# Altium PCB Fastino-DIOT.PCBDOC (part 11 of 22)
Units mm, origin at the board's own origin, x right, y up, seen from the top; angles counter-clockwise.
Board outline 222.63 x 100.1 mm, 8 copper layers (L1, L2, L3, P4, L5, L6, P7, L8), stack 1.563 mm thick; 1030 components, 787 nets, 3312 pads, 2498 vias.
Unrouted connection lines stored in the file: 424.
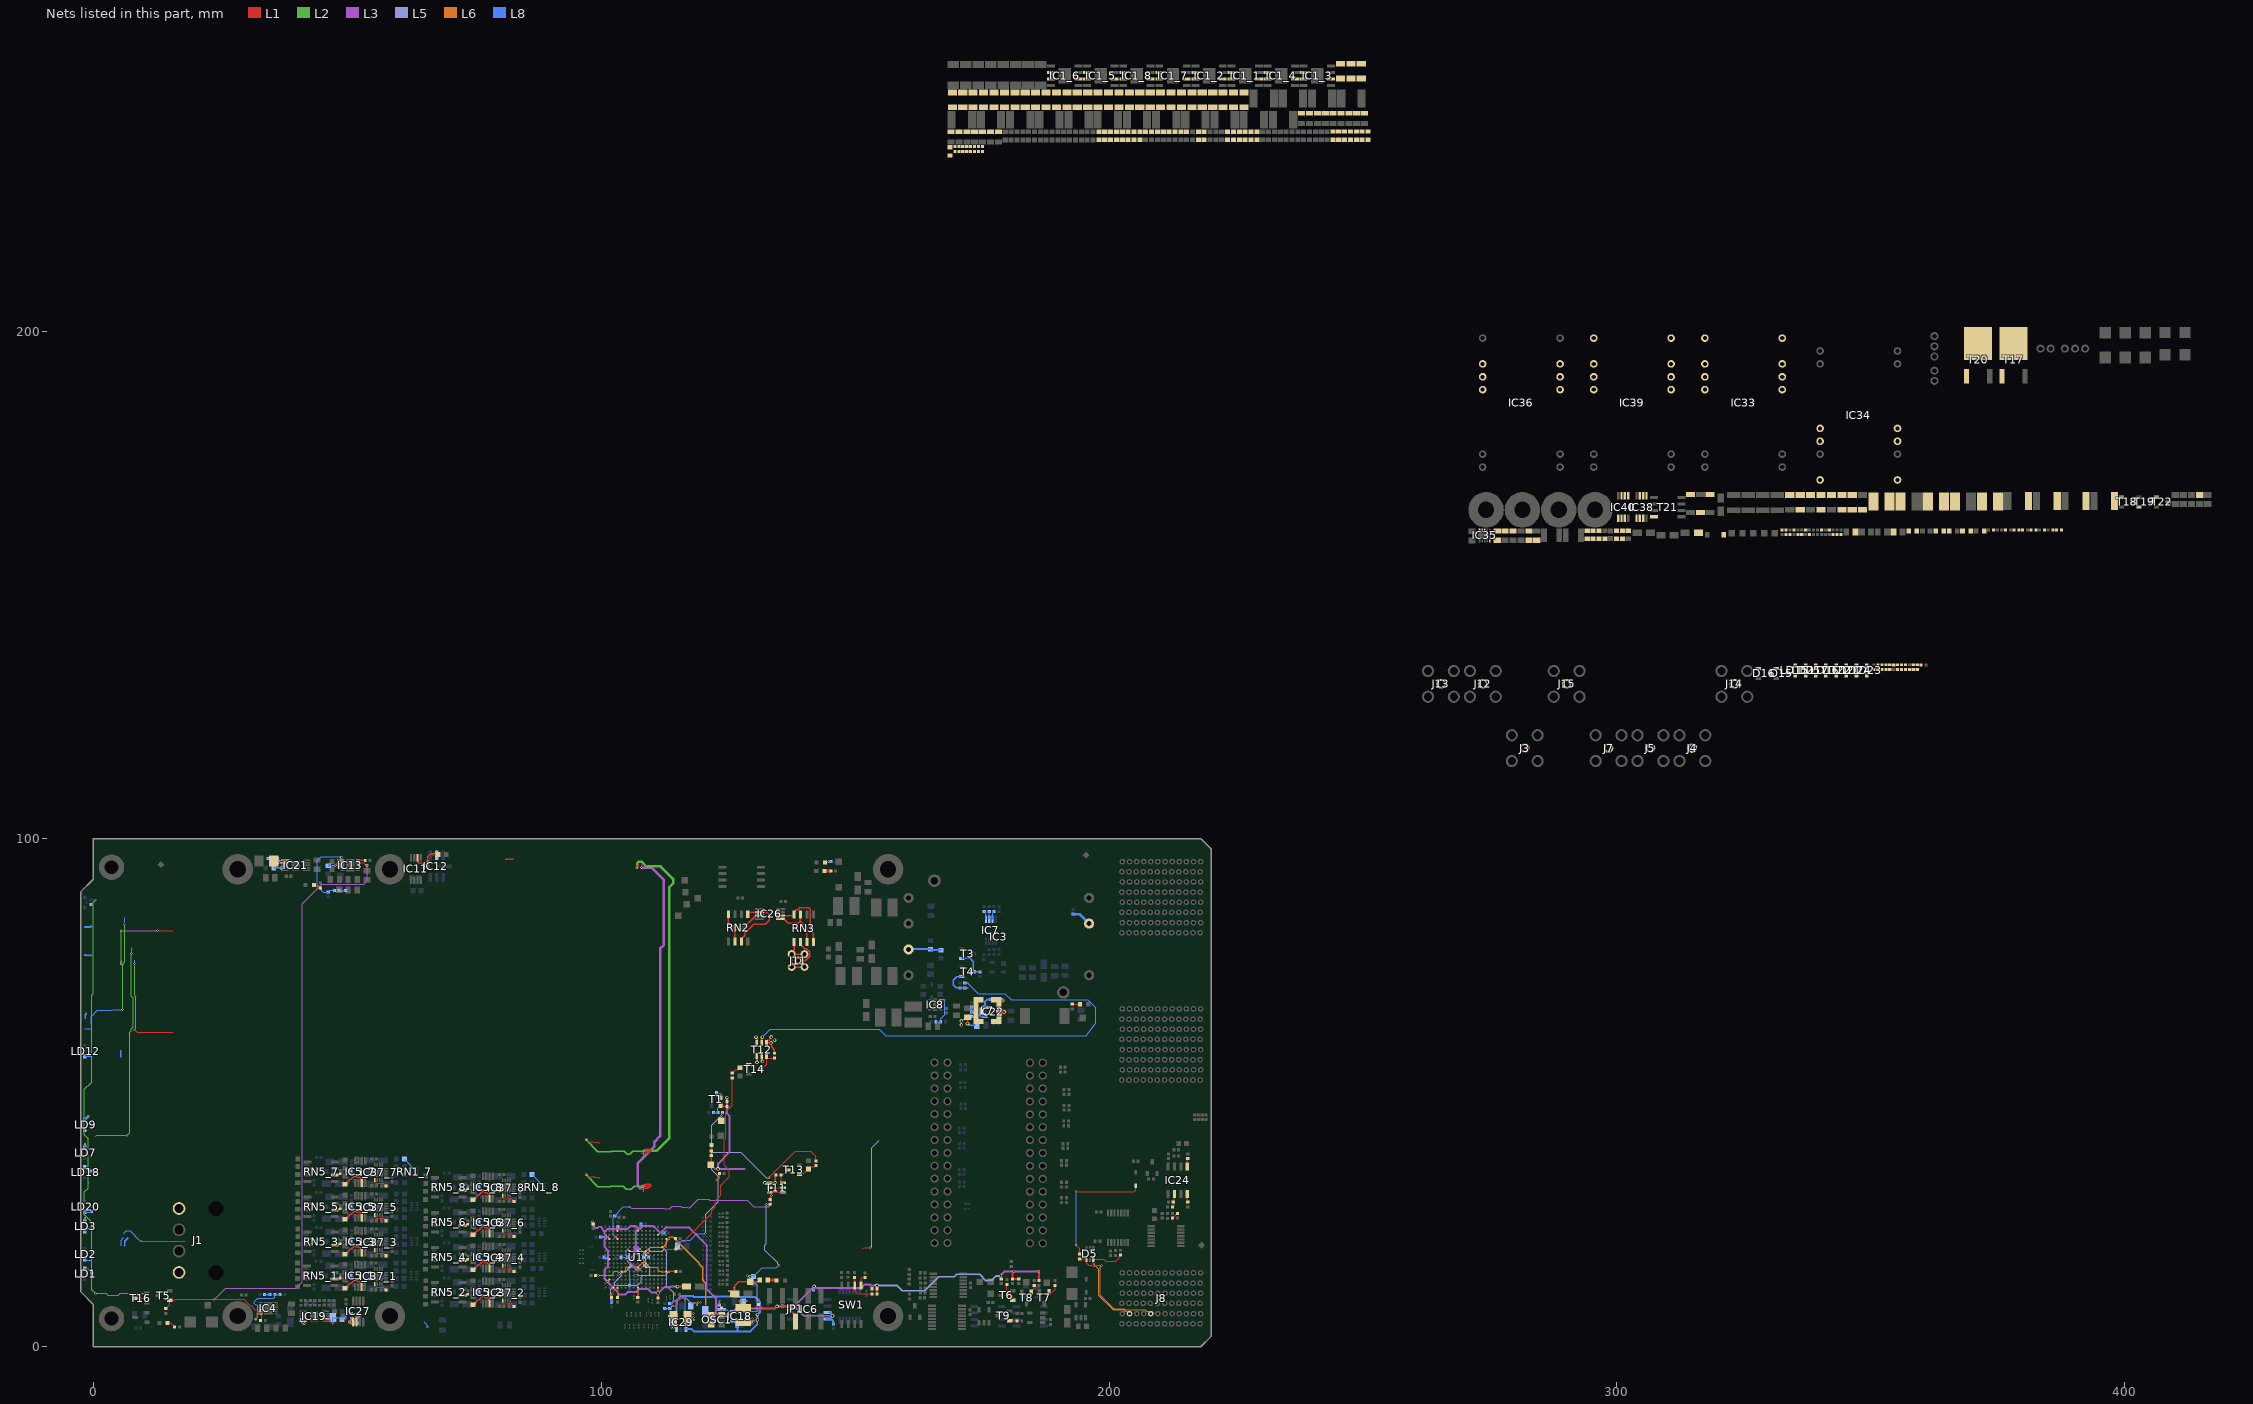
[diagram p17: the nets of this part, all layers, seen from the top]

## Via types
v1: diameter 0.4, hole 0.2, L1 to L8, tented both sides, 1919 vias
v2: diameter 0.5, hole 0.2, L1 to L8, tented both sides, 270 vias
v3: diameter 0.4, hole 0.2, L1 to L8, 170 vias
v4: diameter 0.7, hole 0.4, L1 to L8, tented both sides, 110 vias
v5: diameter 0.7, hole 0.4, L1 to L8, 29 vias

## Nets (pads, with @x,y where several pads share a name; then routed paths per layer and width w, separated by ;. In a path a pad name is that pad's centre, name@x,y a point inside that pad or via, vN(x,y) a via of type N, cw(c..) or ccw(c..) an arc to the next point about the centre after c; other vN are vias at no path point) (continued)
NetC89_7_2: C89_7.2 RN1_7.4 | length 2.3
  L8 w0.127: C89_7.2@61.234,36.966 61.234,36.941 62.631,35.544 RN1_7.4@62.631,35.213
NetC89_8_2: C89_8.2 RN1_8.4 | length 2.3
  L8 w0.127: C89_8.2@86.385,33.893 86.385,33.868 87.782,32.471 RN1_8.4@87.782,32.141
NetC91_1: C91.1 IC21.7 R117.2 | length 3.2
  L1 w0.254: C91.1@35.5,95.628 35.843,95.285 IC21.7@37.64,95.285
  L8 w0.254: R117.2@36.216,96.06 36.64,95.636 v1(36.64,95.285)
NetC94_2: C94.2 IC11.6 IC12.6 R179.1 | length 7
  L1 w0.254: IC11.6@63.815,96.272 63.904,96.183 63.904,95.355 64.053,95.206 64.981,95.206 65.2,95.425 65.85,95.425 R179.1@65.85,95.445 65.85,96.45 66.325,96.925 C94.2@67.875,96.925
  L8 w0.254: v1@66.982,96.921 66.986,96.925 67.447,96.925 IC12.6@67.594,96.779
  other v1: 67.007,96.921
NetC95_2: C95.2 IC24.2 R228.2 | length 2.7
  L1 w0.127: R228.2@212.47,27.5 212.47,27.52 212.865,27.915 IC24.2@212.865,30.05
NetC100_2: C100.2 IC24.5 | length 1.6
  L1 w0.127: IC24.5@215.405,35.45 215.405,36.955 C100.2@215.5,37.05
NetC102_1: C102.1 IC22.6 | length 2.3
  L8 w0.381: IC22.6@175.556,66.916 175.556,67.868 176.022,68.334 176.623,68.334 C102.1@176.656,68.366
NetC106_1_2: C106_1.2 IC5_1.3 R11_1.2 | length 6.1
  L1 w0.127: v2@51.486,13.224 v2@51.536,13.224
  L1 w0.254: R11_1.2@49.521,11.471 49.571,11.471 50.559,12.459 50.744,12.459 51.486,13.201 v2@51.486,13.224 ; v2(51.46,13.233) 51.527,13.233 51.536,13.224 51.933,12.827 52.388,12.827 52.706,12.51 52.706,12.293 IC5_1.3@52.807,12.192
  L8 w0.127: C106_1.2@50.34,13.968 C106_1.2@50.544,13.764 ; C106_1.2@50.507,14.136 C106_1.2@50.543,14.172
  L8 w0.254: C106_1.2@50.571,13.792 50.752,13.612 51.005,13.612 51.201,13.415 51.212,13.415 51.394,13.233 v2(51.46,13.233)
NetC106_2_2: C106_2.2 IC5_2.3 R11_2.2 | length 6.1
  L1 w0.127: v2@76.691,9.984 v2@76.742,9.984
  L1 w0.254: R11_2.2@74.727,8.23 74.777,8.23 75.765,9.218 75.949,9.218 76.691,9.96 v2@76.691,9.984 ; v2(76.666,9.993) 76.733,9.993 76.742,9.984 77.139,9.586 77.594,9.586 77.911,9.269 77.911,9.052 IC5_2.3@78.012,8.951
  L8 w0.127: C106_2.2@75.545,10.728 C106_2.2@75.749,10.524 ; C106_2.2@75.713,10.895 C106_2.2@75.749,10.931
  L8 w0.254: C106_2.2@75.777,10.551 75.958,10.371 76.21,10.371 76.406,10.174 76.418,10.174 76.599,9.993 v2(76.666,9.993)
NetC106_3_2: C106_3.2 IC5_3.3 R11_3.2 | length 6.1
  L1 w0.127: v2@51.54,19.943 v2@51.59,19.943
  L1 w0.254: R11_3.2@49.576,18.189 49.626,18.189 50.614,19.177 50.798,19.177 51.54,19.92 v2@51.54,19.943 ; v2(51.515,19.952) 51.581,19.952 51.59,19.943 51.988,19.546 52.442,19.546 52.76,19.228 52.76,19.012 IC5_3.3@52.861,18.911
  L8 w0.127: C106_3.2@50.394,20.687 C106_3.2@50.598,20.483 ; C106_3.2@50.562,20.854 C106_3.2@50.597,20.89
  L8 w0.254: C106_3.2@50.626,20.511 50.807,20.33 51.059,20.33 51.255,20.134 51.267,20.134 51.448,19.952 v2(51.515,19.952)
NetC106_4_2: C106_4.2 IC5_4.3 R11_4.2 | length 6.1
  L1 w0.127: v2@76.691,16.87 v2@76.742,16.87
  L1 w0.254: R11_4.2@74.727,15.116 74.777,15.116 75.765,16.105 75.949,16.105 76.691,16.847 v2@76.691,16.87 ; v2(76.666,16.879) 76.733,16.879 76.742,16.87 77.139,16.473 77.594,16.473 77.911,16.155 77.911,15.939 IC5_4.3@78.012,15.838
  L8 w0.127: C106_4.2@75.545,17.614 C106_4.2@75.749,17.41 ; C106_4.2@75.713,17.782 C106_4.2@75.749,17.817
  L8 w0.254: C106_4.2@75.777,17.438 75.958,17.257 76.21,17.257 76.406,17.061 76.418,17.061 76.599,16.879 v2(76.666,16.879)
NetC106_5_2: C106_5.2 IC5_5.3 R11_5.2 | length 6.1
  L1 w0.127: v2@51.54,26.83 v2@51.59,26.83
  L1 w0.254: R11_5.2@49.576,25.076 49.626,25.076 50.614,26.064 50.798,26.064 51.54,26.806 v2@51.54,26.83 ; v2(51.515,26.839) 51.581,26.839 51.59,26.83 51.988,26.432 52.442,26.432 52.76,26.115 52.76,25.898 IC5_5.3@52.861,25.797
  L8 w0.127: C106_5.2@50.394,27.574 C106_5.2@50.598,27.37 ; C106_5.2@50.562,27.741 C106_5.2@50.597,27.777
  L8 w0.254: C106_5.2@50.626,27.397 50.807,27.217 51.059,27.217 51.255,27.02 51.267,27.02 51.448,26.839 v2(51.515,26.839)
NetC106_6_2: C106_6.2 IC5_6.3 R11_6.2 | length 6.1
  L1 w0.127: v2@76.691,23.757 v2@76.742,23.757
  L1 w0.254: R11_6.2@74.727,22.003 74.777,22.003 75.765,22.991 75.949,22.991 76.691,23.733 v2@76.691,23.757 ; v2(76.666,23.766) 76.733,23.766 76.742,23.757 77.139,23.36 77.594,23.36 77.911,23.042 77.911,22.826 IC5_6.3@78.012,22.724
  L8 w0.127: C106_6.2@75.545,24.501 C106_6.2@75.749,24.297 ; C106_6.2@75.713,24.668 C106_6.2@75.749,24.704
  L8 w0.254: C106_6.2@75.777,24.325 75.958,24.144 76.21,24.144 76.406,23.948 76.418,23.948 76.599,23.766 v2(76.666,23.766)
NetC106_7_2: C106_7.2 IC5_7.3 R11_7.2 | length 6.1
  L1 w0.127: v2@51.54,33.716 v2@51.59,33.716
  L1 w0.254: R11_7.2@49.576,31.962 49.626,31.962 50.614,32.951 50.798,32.951 51.54,33.693 v2@51.54,33.716 ; v2(51.515,33.725) 51.581,33.725 51.59,33.716 51.988,33.319 52.442,33.319 52.76,33.001 52.76,32.785 IC5_7.3@52.861,32.684
  L8 w0.127: C106_7.2@50.394,34.46 C106_7.2@50.598,34.256 ; C106_7.2@50.562,34.628 C106_7.2@50.597,34.663
  L8 w0.254: C106_7.2@50.626,34.284 50.807,34.103 51.059,34.103 51.255,33.907 51.267,33.907 51.448,33.725 v2(51.515,33.725)
NetC106_8_2: C106_8.2 IC5_8.3 R11_8.2 | length 6.1
  L1 w0.127: v2@76.691,30.643 v2@76.742,30.643
  L1 w0.254: R11_8.2@74.727,28.89 74.777,28.89 75.765,29.878 75.949,29.878 76.691,30.62 v2@76.691,30.643 ; v2(76.666,30.652) 76.733,30.652 76.742,30.643 77.139,30.246 77.594,30.246 77.911,29.929 77.911,29.712 IC5_8.3@78.012,29.611
  L8 w0.127: C106_8.2@75.545,31.387 C106_8.2@75.749,31.184 ; C106_8.2@75.713,31.555 C106_8.2@75.749,31.591
  L8 w0.254: C106_8.2@75.777,31.211 75.958,31.031 76.21,31.031 76.406,30.834 76.418,30.834 76.599,30.652 v2(76.666,30.652)
NetC111_2: C111.2 R145.2 T13.1 | length 4
  L1 w0.127: T13.1@139.05,33.85 139.287,34.086 139.861,34.086 C111.2@140.75,34.975 ; C111.2@140.8,35 141.212,35.411 142.054,35.411 142.25,35.608 R145.2@142.25,35.75
NetC113_2: C113.2 R162.2 T14.1 | length 3.9
  L1 w0.15: R162.2@125.8,53.87 125.82,53.87 126.45,54.5 126.9,54.5 C113.2@127.3,54.9 127.325,54.9 127.975,55.55 T14.1@129.05,55.55
NetC114_2: C114.2 IC18.1 R181.2 | length 31.4
  L1 w0.127: v1(132.5,28) 133.22,28 R181.2@133.25,28.03
  L5 w0.127: v1(128.75,14) 130.697,12.053 130.697,7.036 v1(130.734,7) ; v1(132.5,28) 132.5,20.25 132.25,20 132.25,19 134.75,16.5 134.75,16.302 135,16.052 v1(135,16)
  L8 w0.127: IC18.1@128.55,6.95 128.6,7 v1(130.734,7) ; v1(128.75,14) C114.2@130.225,14 ; C114.2@130,13.8 130.025,13.8 C114.2@130.225,14 ; v1(135,16) 134.512,15.512 131.737,15.512 C114.2@130.225,14
NetC118_1: C118.1 IC13.7 R25.2 | length 4.6
  L1 w0.254: v1(47.659,94.763) 47.66,94.765 47.66,94.803 48.158,95.301 49.05,95.301 IC13.7@49.066,95.285
  L8 w0.254: R25.2@46.608,95.027 46.558,95.027 R25.2@46.235,94.704 47.56,94.704 47.591,94.735 47.628,94.735 47.659,94.704 47.718,94.763 48.217,94.763 C118.1@48.497,95.042
NetC119_2: C119.2 L9.2 L14.1
NetC125_1: C125.1 C132.2 C136.2 IC33.12 IC33.13 J1.1 L17.1
NetC126_1: C126.1 IC27.1 R158.1 | length 2.5
  L1 w0.508: v1(50.385,4.839) IC27.1@51.16,4.839
  L8 w0.508: v1(50.385,4.839) 50.601,4.839 50.736,4.704 C126.1@51.005,4.704 ; R158.1@50.851,5.575 50.871,5.575 50.907,5.539 50.907,4.803 C126.1@51.005,4.704 ; C126.1@51.061,4.648 C126.1@51.005,4.704
NetC126_2: C126.2 IC27.2 R156.2 | length 4.2
  L1 w0.508: IC27.2@51.81,4.839 51.839,4.868 51.839,5.865 v1(52.451,6.477)
  L8 w0.508: C126.2@51.961,4.648 51.847,4.763 51.847,5.565 51.811,5.601 R156.2@51.791,5.601 51.827,5.637 52.025,5.637 52.482,6.093 v1@52.482,6.477
NetC127_1: C127.1 C133.2 L17.2 L19.1 | length 1.4
  L8 w0.127: 64.999,4.935 65.712,4.221 65.712,3.907 v1(65.765,3.854)
NetC136_1: C136.1 C144.2 IC33.10 IC33.15 IC34.12 IC34.13 R134.1
NetC141_1: C141.1 IC19.7 R157.2 R158.2 | length 7.5
  L1 w0.203: IC19.7@45.714,5.448 45.763,5.497 46.531,5.497 46.65,5.378 46.65,5.211 46.668,5.193 46.668,4.862 46.882,4.648 47.041,4.648 v1(47.168,4.521)
  L8 w0.203: C141.1@47.125,5.752 C141.1@47.168,5.752 ; v1(47.168,4.521) C141.1@47.168,5.752 ; R157.2@48.768,5.436 48.574,5.629 47.291,5.629 C141.1@47.168,5.752 ; R157.2@48.946,5.321 48.996,5.321 49.344,5.67 49.344,5.72 50.076,6.452 R158.2@50.749,6.452
NetC153_1: C153.1 C158.2 IC36.10 IC36.15 IC39.12 IC39.13 R144.1
NetC158_1: C158.1 C163.2 IC39.10 IC39.15 J1.4 L21.1 R168.1
NetC161_2: C164.2 L21.2 L22.1
NetD3_1: D3.1 R185.1 | length 25.4
  L1 w0.127: v1(193.5,20) 194.25,19.25 R185.1@194.25,18.19 ; v1(193.5,30.5) 205,30.5 205.25,30.75 D3.1@205.25,31.7
  L8 w0.127: v1(193.5,20) v1(193.5,30.5)
NetD5_4: D5.4 J8.H2 R185.2 | length 22.8
  L1 w0.127: R185.2@194.25,17.25 195.5,17.25 D5.4@195.6,17.15 195.6,16.4 196,16 196.698,16 196.838,15.86 197.162,15.86 197.302,16 198.502,16 v1(198.519,15.984)
  L6 w0.127: v1(198.519,15.984) 198.519,15.974 198.246,15.702 198.246,15.222 198.258,15.21 198.258,10.133 200.895,7.496 203.049,7.496 203.295,7.25 207.136,7.25 207.39,6.996 207.688,6.996 208.184,6.5 J8.H2@208.239,6.5
NetD5_6: D5.6 J8.K2 R205.2 | length 21.3
  L1 w0.127: v1(197,16.25) 197,16.324 196.9,16.424 D5.6@196.9,17.15 198.996,17.15 199.343,16.803 201.303,16.803 202.003,17.504 202.003,17.804 202.23,18.03 R205.2@202.25,18.03
  L6 w0.127: v1(197,16.25) 197.992,15.258 197.992,15.117 198.004,15.105 198.004,10.028 200.79,7.242 201.54,7.242 201.541,7.241 202.945,7.241 203.19,6.996 203.488,6.996 203.984,6.5 J8.K2@204.039,6.5
NetD11_1: D11.1 LD3.1 T17.1 T18.3 | length 0.6
  L8 w0.127: v1(-1.702,25.273) -1.702,24.678 LD3.1@-1.676,24.652
NetD12_2: D12.2 R130.1
NetD13_2: D13.2 LD9.2 T19.3 T20.1
NetD15_1: D15.1 D16.3
NetD15_3: D15.3 R275.2
NetD16_1: D16.1 R276.1 R277.1
NetIC1_1_2: IC1_1.2 R34_1.1 R58_1.2
NetIC1_1_3: IC1_1.3 R73_1.2 R113_1.2
NetIC1_1_6: IC1_1.6 R34_1.2 R62_1.1
NetIC1_2_2: IC1_2.2 R34_2.1 R58_2.2
NetIC1_2_3: IC1_2.3 R73_2.2 R113_2.2
NetIC1_2_6: IC1_2.6 R34_2.2 R62_2.1
NetIC1_3_2: IC1_3.2 R34_3.1 R58_3.2
NetIC1_3_3: IC1_3.3 R73_3.2 R113_3.2
NetIC1_3_6: IC1_3.6 R34_3.2 R62_3.1
NetIC1_4_2: IC1_4.2 R34_4.1 R58_4.2
NetIC1_4_3: IC1_4.3 R73_4.2 R113_4.2
NetIC1_4_6: IC1_4.6 R34_4.2 R62_4.1
NetIC1_5_2: IC1_5.2 R34_5.1 R58_5.2
NetIC1_5_3: IC1_5.3 R73_5.2 R113_5.2
NetIC1_5_6: IC1_5.6 R34_5.2 R62_5.1
NetIC1_6_2: IC1_6.2 R34_6.1 R58_6.2
NetIC1_6_3: IC1_6.3 R73_6.2 R113_6.2
NetIC1_6_6: IC1_6.6 R34_6.2 R62_6.1
NetIC1_7_2: IC1_7.2 R34_7.1 R58_7.2
NetIC1_7_3: IC1_7.3 R73_7.2 R113_7.2
NetIC1_7_6: IC1_7.6 R34_7.2 R62_7.1
NetIC1_8_2: IC1_8.2 R34_8.1 R58_8.2
NetIC1_8_3: IC1_8.3 R73_8.2 R113_8.2
NetIC1_8_6: IC1_8.6 R34_8.2 R62_8.1
NetIC2_1_1: R62_1.2 R115_1.1
NetIC2_1_7: R105_1.1 R106_1.2 R116_1.2
NetIC2_1_8: R106_1.1
NetIC2_2_1: R62_2.2 R115_2.1
NetIC2_2_7: R105_2.1 R106_2.2 R116_2.2
NetIC2_2_8: R106_2.1
NetIC2_3_1: R62_3.2 R115_3.1
NetIC2_3_7: R105_3.1 R106_3.2 R116_3.2
NetIC2_3_8: R106_3.1
NetIC2_4_1: R62_4.2 R115_4.1
NetIC2_4_7: R105_4.1 R106_4.2 R116_4.2
NetIC2_4_8: R106_4.1
NetIC2_5_1: R62_5.2 R115_5.1
NetIC2_5_7: R105_5.1 R106_5.2 R116_5.2
NetIC2_5_8: R106_5.1
NetIC2_6_1: R62_6.2 R115_6.1
NetIC2_6_7: R105_6.1 R106_6.2 R116_6.2
NetIC2_6_8: R106_6.1
NetIC2_7_1: R62_7.2 R115_7.1
NetIC2_7_7: R105_7.1 R106_7.2 R116_7.2
NetIC2_7_8: R106_7.1
NetIC2_8_1: R62_8.2 R115_8.1
NetIC2_8_7: R105_8.1 R106_8.2 R116_8.2
NetIC2_8_8: R106_8.1
NetIC3_2: IC3.2 R8.2 | length 4
  L8 w0.508: R8.2@192.913,85.164 194.215,85.164 IC3.2@196.088,83.292
NetIC3_6: IC3.6 R7.1 R19.2 | length 6.5
  L8 w0.381: IC3.6@160.528,78.212 160.604,78.288 R19.2@164.811,78.288 165.006,78.093 R7.1@166.93,78.093
NetIC4_4: IC4.4 IC13.4 R52.2 T5.1 | length 133.7
  L1 w0.127: R52.2@14.25,7.47 14.27,7.47 14.496,7.696 14.496,7.716 14.998,8.218 T5.1@14.998,9.105 16.009,9.105 16.174,9.271 29.641,9.271 30.784,8.128 30.937,8.128 31.801,7.264 33.045,7.264 IC4.4@33.071,7.29 ; IC13.4@52.066,95.285 52.09,95.309 53.109,95.309 v2@53.626,94.793
  L3 w0.127: v1(23.739,9.261) 26.01,11.532 39.932,11.532 41.148,12.747 41.148,87.224 44.967,91.043 53.197,91.043 53.873,91.719 v2(53.873,94.793)
NetIC4_5: IC4.5 R18.2 R38.1 | length 12
  L1 w0.127: v2(31.979,5.41) 31.979,5.424 32.283,5.728 32.283,6.527 32.466,6.709 32.535,6.709 32.71,6.883 IC4.5@32.944,6.883
  L8 w0.127: v2(31.979,5.41) 32.368,5.8 32.368,7.98 32.11,8.238 32,8.238 31.993,8.246 31.918,8.246 31.69,8.474 31.69,8.798 32.392,9.5 35.5,9.5 35.72,9.72 R38.1@35.72,10.25 R18.2@36.75,10.25
NetIC4_6: IC4.6 R27.2 | length 1.5
  L1 w0.127: IC4.6@32.777,6.393 IC4.6@32.945,6.393 ; R27.2@32.893,5.156 33.119,5.383 33.119,6.076 33.122,6.078 IC4.6@33.122,6.401
NetIC7_5: IC7.5 R90.2 | length 1.7
  L8 w0.127: R90.2@175.44,85.715 175.46,85.715 175.687,85.488 175.687,85.468 175.76,85.394 IC7.5@175.76,84.194
NetIC7_6: IC7.6 R91.2 | length 1.5
  L8 w0.127: IC7.6@176.41,84.194 R91.2@176.41,85.684
NetIC7_7: IC7.7 R92.2 | length 1.6
  L8 w0.127: IC7.7@177.06,84.194 177.06,85.429 177.315,85.684 R92.2@177.335,85.684
NetIC8_5: IC8.5 R24.1 R28.2 | length 6.3
  L1 w0.15: IC8.5@166.838,68.332 167.405,68.332 cw(c167.405,68.049) v1(167.605,68.249)
  L8 w0.15: R24.1@165.878,63.982 R28.2@166.863,63.982 166.863,64.598 167.605,65.34 v1(167.605,68.249)
NetIC13_5: IC13.5 R26.2 | length 1.6
  L1 w0.254: IC13.5@52.066,95.785 53.318,95.785 53.523,95.58 R26.2@53.543,95.58
NetIC13_6: IC13.6 R63.1 R64.2 | length 14.6
  L1 w0.152: v2(48.844,96.368) 48.844,95.859 48.918,95.785 IC13.6@49.066,95.785
  L8 w0.152: R64.2@46.228,89.484 45.263,89.484 44.12,90.627 44.12,95.656 44.907,96.444 48.581,96.444 48.591,96.434 48.758,96.434 v2@48.768,96.444 ; R64.2@46.304,89.56 46.324,89.56 46.462,89.698 46.462,89.718 46.584,89.84 R63.1@47.46,89.84
NetIC14_1_2: R118_1.2
NetIC14_1_6: R72_1.1 R105_1.2
NetIC14_2_2: R118_2.2
NetIC14_2_6: R72_2.1 R105_2.2
NetIC14_3_2: R118_3.2
NetIC14_3_6: R72_3.1 R105_3.2
NetIC14_4_2: R118_4.2
NetIC14_4_6: R72_4.1 R105_4.2
NetIC14_5_2: R118_5.2
NetIC14_5_6: R72_5.1 R105_5.2
NetIC14_6_2: R118_6.2
NetIC14_6_6: R72_6.1 R105_6.2
NetIC14_7_2: R118_7.2
NetIC14_7_6: R72_7.1 R105_7.2
NetIC14_8_2: R118_8.2
NetIC14_8_6: R72_8.1 R105_8.2
NetIC18_5: IC18.5 R381.1 R382.2 | length 2.8
  L8 w0.127: R381.1@123.25,7.28 123.28,7.25 124.75,7.25 125.05,6.95 IC18.5@125.95,6.95
NetIC19_5: IC19.5 R155.2 | length 1.6
  L1 w0.203: IC19.5@41.58,4.902 41.603,4.902 41.605,4.9 v1(41.605,4.496)
  L8 w0.203: R155.2@41.021,5.207 41.021,4.688 41.213,4.496 v1(41.605,4.496)
NetIC21_6: IC21.6 R100.1 R135.2 | length 4.9
  L1 w0.254: IC21.6@37.64,95.785 37.645,95.78 38.58,95.78 v1@38.6,95.8
  L8 w0.254: R100.1@35.525,94.25 35.55,94.275 36.95,94.275 R135.2@36.975,94.25 ; R135.2@37.005,94.275 37.005,94.295 37.525,94.815 37.525,95.225 38.075,95.775 v1(38.625,95.775)
NetIC22_4: IC22.4 R104.2 R151.1 | length 4
  L8 w0.381: R104.2@172.896,66.841 R151.1@172.896,65.911 172.972,65.834 173.777,65.834 173.995,65.616 174.596,65.016 IC22.4@175.556,65.016
NetIC24_4: IC24.4 R221.1 | length 1.6
  L1 w0.127: IC24.4@215.405,30.05 215.405,28.565 R221.1@215.5,28.47
NetIC26_2: IC26.2 RN2.3 RN2.5 | length 13.6
  L1 w0.254: RN2.3@127.584,79.748 127.584,80.223 128.296,80.935 128.296,81.438 130.068,83.21 130.93,83.21 130.952,83.188 131.328,83.188 131.35,83.21 132.283,83.21 133.071,83.998 133.071,85.115 132.644,85.542 IC26.2@131.148,85.542 129.027,85.542 128.854,85.369 RN2.5@128.854,85.148
NetIC26_3: IC26.3 RN2.2 RN2.8 | length 11.9
  L1 w0.254: RN2.8@125.044,85.148 125.044,83.537 126.539,82.042 ; RN2.2@126.314,79.748 126.314,81.817 126.539,82.042 ; IC26.3@131.148,84.892 130.446,84.892 127.596,82.042 126.539,82.042
NetIC26_5: IC26.5 RN3.3 RN3.7 | length 10.4
  L1 w0.254: IC26.5@135.298,84.242 135.973,84.242 136.866,83.349 138.848,83.349 139.243,83.744 ; RN3.7@139.243,85.098 139.243,83.744 ; RN3.3@140.513,79.698 140.513,82.474 139.243,83.744
NetIC26_6: IC26.6 RN3.4 RN3.8 | length 13.6
  L1 w0.254: IC26.6@135.298,84.892 137.8,84.892 137.973,85.065 RN3.8@137.973,85.098 137.973,85.573 138.455,86.055 138.766,86.055 139.106,86.395 140.911,86.395 141.148,86.158 141.148,82.22 141.783,81.585 RN3.4@141.783,79.698
NetIC29_5: IC29.5 R234.1 R237.2 | length 9.1
  L1 w0.127: v1@114,8 114.75,8 115,8.25 115,9 115.5,9.5 116.198,9.5 116.448,9.25 v1(116.5,9.25)
  L8 w0.127: R237.2@112.274,7.304 R237.2@112.5,7.53 112.53,7.5 R234.1@113.5,7.5 ; R234.1@113.5,7.53 113.52,7.53 113.893,7.903 113.995,7.903 v1(114.047,7.955) ; v1(116.5,9.25) 116.5,8.844 116.565,8.779 116.565,7.221 116.5,7.156 116.5,6.25 IC29.5@116.7,6.05
NetIC33_8: IC33.8 IC33.17 R127.2 R134.2
NetIC33_9: IC33.9 IC33.16 R127.1
NetIC34_8: IC34.8 IC34.17 R136.2 R137.2 | length 1.6
  L1 w0.254: 81.093,96.003 82.655,96.003 82.677,96.025
NetIC34_9: IC34.9 IC34.16 R136.1
NetIC35_5: IC35.5 R138.1 R140.2
NetIC35_9: IC35.9 L20.1
NetIC36_8: IC36.8 IC36.17 R141.2 R144.2 | length 181.8
  L1 w0.127: v2(97.029,33.83) 97.385,33.474 98.553,33.474 ; v2(97.029,40.716) 97.385,40.361 98.553,40.361 ; 98.553,33.5 98.697,33.356 99.442,33.356 99.603,33.195 ; 98.553,40.386 98.697,40.243 99.442,40.243 99.603,40.081 ; 108.435,31.932 108.515,32.012 108.685,32.012 ; 108.435,38.818 108.515,38.898 108.685,38.898
  L1 w0.203: v1(107.036,94.259) 107.036,94.706 107.366,95.036 107.297,95.105 ; v1(107.95,94.31) 107.95,94.761 108.294,95.105
  L1 w0.254: 107.935,31.262 107.935,31.209 107.956,31.188 109.133,31.188 109.432,31.488 109.511,31.488 109.644,31.62 ; 107.935,38.148 107.935,38.096 107.951,38.08 ; 107.951,38.202 107.951,38.08 ; v1(108.327,31.641) 108.362,31.641 108.383,31.62 109.644,31.62 ; v1(108.383,38.507) 109.644,38.507 ; 108.685,32.012 108.694,32.003 109.778,32.003 ; 108.685,38.898 108.694,38.889 109.778,38.889 ; 109.847,31.824 109.644,31.62 ; 109.882,38.786 109.882,38.745 109.847,38.71 109.644,38.507 ; 107.951,38.08 107.956,38.075 109.133,38.075 109.432,38.374 109.511,38.374 109.644,38.507
  L3 w0.508: v1(107.95,94.31) 109.915,94.31 112.319,91.906 112.319,79.096 111.608,78.384 111.608,41.458 110.478,40.328 110.478,39.383 107.163,36.068 107.163,31.648 107.594,31.217 108.001,31.217 108.327,31.543 v1(108.327,31.641)
  L2 w0.254: v2(97.029,33.83) 99.355,31.504 101.794,31.504 101.888,31.598 104.327,31.598 104.925,31 105.95,31 106.55,31.6 106.625,31.6 106.638,31.613 108.299,31.613 v1(108.327,31.641) ; v2(97.029,40.716) 99.355,38.39 101.881,38.39 101.975,38.484 104.5,38.484 105.109,37.875 105.6,37.875 106.211,38.486 106.211,38.494 108.371,38.494 v1(108.383,38.507)
  L2 w0.508: v1@106.985,94.259 107.086,94.361 107.086,95.156 107.384,95.453 108.001,95.453 108.864,94.59 111.684,94.59 114.148,92.126 114.148,91.211 113.411,90.475 113.411,41.042 110.926,38.557 v1@108.382,38.557
  L8 w0.127: 108.323,30.543 108.327,30.546 v1(108.327,31.641) ; 108.323,37.429 108.383,37.489 v1(108.383,38.507)
NetIC36_9: IC36.9 IC36.16 R141.1
NetIC37_1_1: IC37_1.1 R153_1.1 | length 2.9
  L1 w0.127: IC37_1.1@55.355,12.097 IC37_1.1@55.355,12.316 ; R153_1.1@57.403,11.369 R153_1.1@57.649,11.369
  L1 w0.152: IC37_1.1@55.355,12.097 55.355,12.066 55.712,11.709 57.063,11.709 57.403,11.369 57.429,11.342 R153_1.1@57.429,11.303
NetIC37_2_1: IC37_2.1 R153_2.1 | length 2.9
  L1 w0.127: IC37_2.1@80.56,8.856 IC37_2.1@80.56,9.075 ; R153_2.1@82.608,8.128 R153_2.1@82.855,8.128
  L1 w0.152: IC37_2.1@80.56,8.856 80.56,8.825 80.918,8.468 82.268,8.468 82.608,8.128 82.635,8.101 R153_2.1@82.635,8.062